# Altium PCB BEE_BOARD_ROTATED.PcbDoc (part 3 of 3)
Units mm, origin at the board's own origin, x right, y up, seen from the top; angles counter-clockwise.
Board outline 51.96 x 59.71 mm, 8 copper layers (Top, GND_1, Signal_1, GND_2, PWR, Signal_2, GND_3, Bottom), stack 1.67 mm thick; 168 components, 97 nets, 589 pads, 254 vias.
Unrouted connection lines stored in the file: 125.
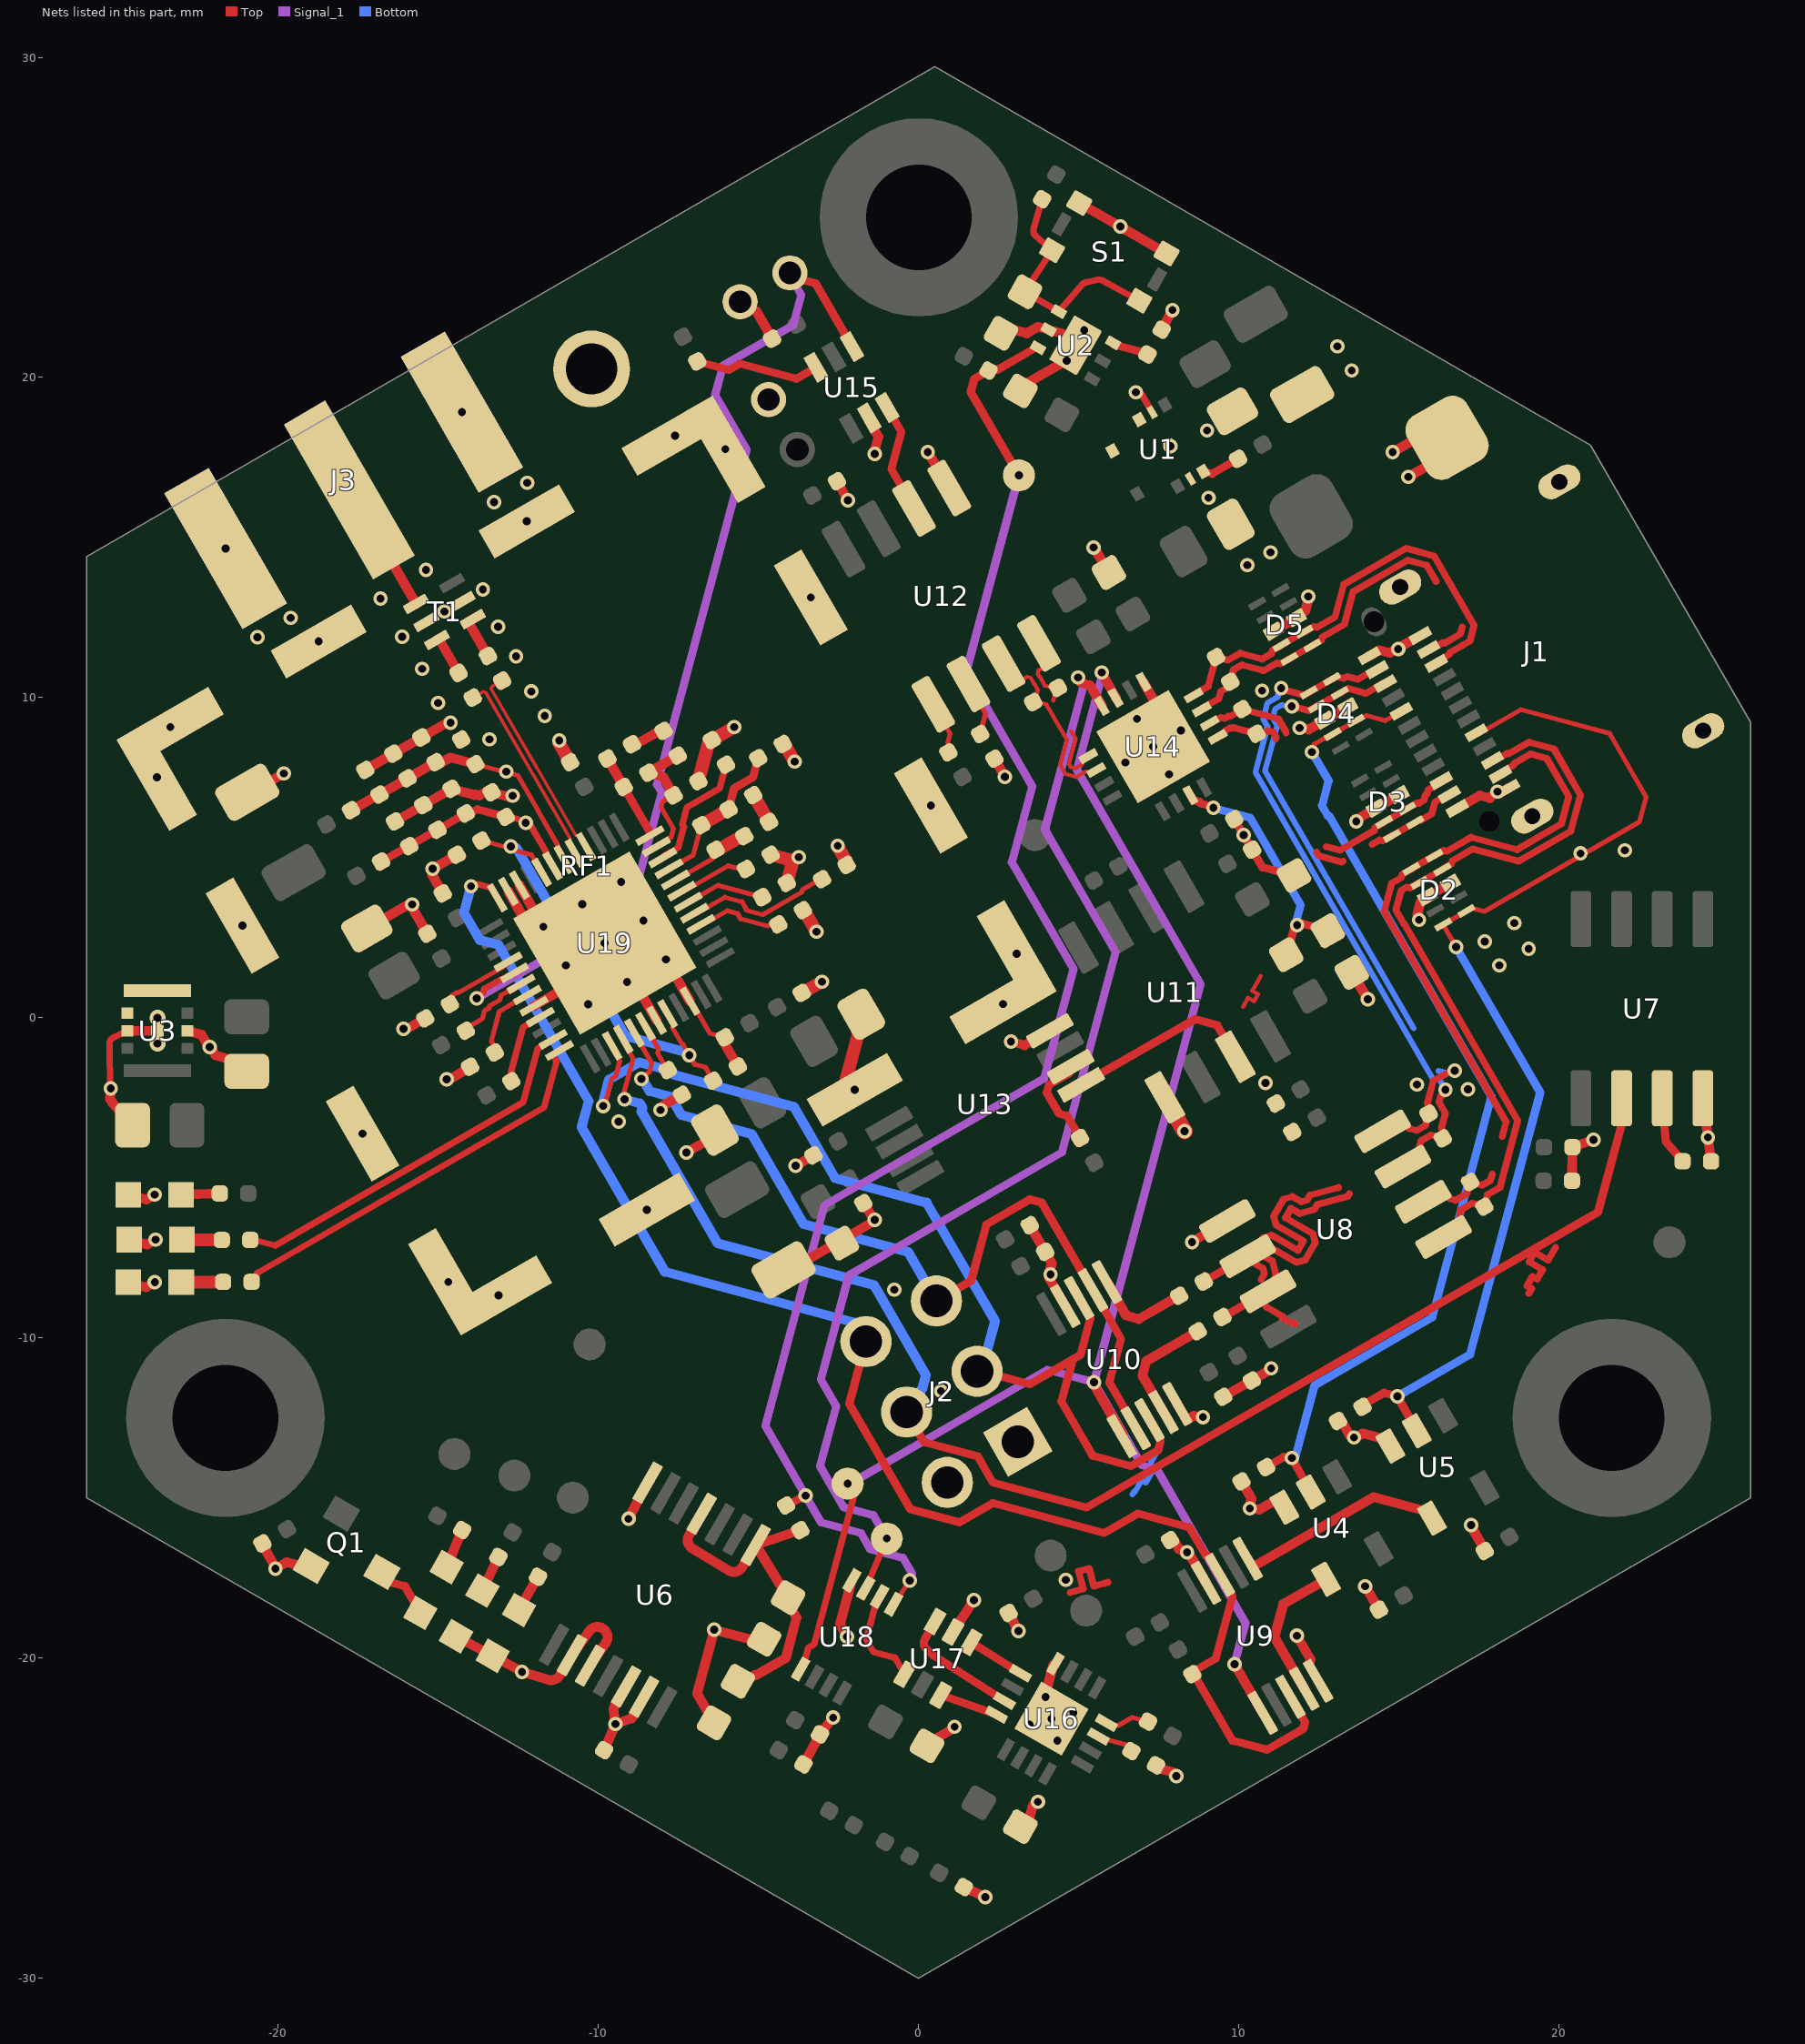
[diagram p9: the nets of this part, all layers, seen from the top]

## Via types
v1: diameter 0.45, hole 0.25, Top to Bottom, 238 vias
v2: diameter 0.5, hole 0.25, Top to Bottom, 16 vias

## Nets (pads, with @x,y where several pads share a name; then routed paths per layer and width w, separated by ;. In a path a pad name is that pad's centre, name@x,y a point inside that pad or via, vN(x,y) a via of type N, cw(c..) or ccw(c..) an arc to the next point about the centre after c; other vN are vias at no path point) (continued)
GND: C1.1 C2.2 C3.1 C4.2 C5.1 C6.1 C7.1 C8.1 C9.1 C10.1 C11.1 C12.2 C13.1 C14.1 C15.1 C16.1 C17.1 C19.2 C20.2 C21.1 C22.1 C23.1 C24.2 C25.1 C26.1 C27.2 C28.1 C29.1 C30.1 C31.2 C32.2 C33.2 C34.1 C35.1 C36.1 C37.1 C38.1 C39.1 C40.1 C41.1 C42.1 C43.1 C44.1 C45.1 C46.1 C47.1 C48.1 C49.1 C50.1 C51.1 C52.1 C53.1 C54.1 C55.1 C56.1 C57.1 C58.1 C61.1 C62.1 C63.1 C64.2 C65.1 C66.1 CLK.1 D1.2 D2.3 D2.8 D3.3 D3.8 D4.3 D4.8 D5.3 D5.8 D6.K D7.K D9.K D10.K D11.K GND.1 J1.1 J1.2 J1.3 J1.4 J1.A1 J1.A12 J1.B1 J1.B12 J2.1 J2.2 J3.2 J3.3 J3.4 J3.5 Q1.2 R3.2 R7.1 R9.2 R12.2 R14.1 R16.1 R20.2 R26.1 R27.2 R31.1 R35.1 RF1.1 S1.1 S1.2 SYNC.1 T1.2 T1.5 U1.2 U1.5 U1.7 U2.5 U2.7 U3.2 U3.5 U3.9 U4.3 U5.3 U6.7 U6.9 U6.10 U6.12 U6.13 U7.4 U8.5 U9.5 U9.9 U10.5 U10.9 U11.5 U12.5 U13.4 U14.5 U14.17 U15.2 U16.12 U16.17 U17.2 U18.4 U19.22 U19.23 U19.32 U19.43 U19.46 U19.49 | length 148.1
  Top w0.152: U19.46@-7.144,0.522 -7.098,0.509 -6.523,-0.485 C49.1@-6.053,-0.611 ; C30.1@9.691,6.247 C30.1@9.855,6.203 ; v1@10.111,5.769 v1(10.148,5.704) ; C29.1@10.409,5.253 C29.1@10.414,5.251 ; C27.2@11.711,4.44 C27.2@11.722,4.446
  Top w0.2: v1(-25.234,-2.206) -25.274,-1.365 cw(c-25.074,-1.356) -25.274,-1.356 -25.274,-0.804 cw(c-25.074,-0.804) -25.16,-0.624 U3.2@-24.711,-0.406
  Top w0.203: v1(6.785,19.538) 6.805,19.504 6.976,19.458 U1.2@7.29,18.913
  Top w0.254: C30.1@9.861,6.202 C29.1@10.409,5.253 ; C29.1@10.414,5.251 10.731,4.702 C27.2@11.711,4.44
  Top w0.305: v1(-25.234,-2.206) -25.251,-2.543 -25.19,-2.649 C8.1@-24.554,-3.354 ; D9.K@-24.731,-8.259 -24.134,-8.419 v1(-23.856,-8.259) ; U3.2@-24.711,-0.406 U3.9@-23.774,-0.406 ; D11.K@-24.683,-5.527 -24.12,-5.678 v1(-23.858,-5.527) ; D10.K@-24.66,-6.934 -24.096,-7.084 v1(-23.835,-6.934) ; U3.5@-22.836,-0.406 -22.399,-0.524 -22.179,-0.905 -22.103,-0.925 -21.957,-1.179 -21.143,-1.397 C7.1@-20.986,-1.67 ; C36.1@-20.97,6.974 v1(-19.828,7.633) ; R3.2@-20.497,-16.419 -20.504,-16.447 -20.08,-17.182 v1(-20.088,-17.21) -19.736,-17.007 -19.069,-17.186 Q1.2@-18.974,-17.131 ; C42.1@-17.284,7.742 C50.1@-15.531,8.754 -14.732,9.215 -14.655,9.194 v1(-14.621,9.214) ; C62.1@-17.235,2.789 -15.932,3.542 -15.868,3.524 C66.1@-15.347,2.623 ; C48.1@-16.354,6.132 C51.1@-15.472,6.642 C53.1@-14.589,7.151 -13.868,6.958 -13.842,6.973 -13.719,6.94 -13.478,7.079 -12.802,6.898 -12.719,6.946 v1(-12.681,6.936) ; v1@-16.095,-0.416 C64.2@-15.41,-0.02 ; C41.1@-14.862,3.884 -15.201,4.473 -15.162,4.618 v1(-15.182,4.652) C56.1@-14.425,5.089 C56.1@-14.286,5.052 ; v1@-14.714,-1.911 v1@-14.707,-1.887 ; v1@-14.71,-1.954 -13.974,-1.53 C58.1@-13.968,-1.505 ; D7.K@-14.45,-19.323 -14.297,-19.405 D6.K@-13.304,-19.93 v1(-12.387,-20.432) -11.556,-20.681 ccw(c-11.468,-20.389) -11.207,-20.545 U6.9@-10.828,-19.912 -10.282,-19.153 cw(c-10.034,-19.331) -9.783,-19.158 -9.77,-19.177 cw(c-10.021,-19.349) -9.77,-19.523 U6.10@-10.265,-20.237 ; U19.23@-12.815,3.945 -12.265,2.992 v2(-11.719,2.846) ; U19.22@-12.469,4.145 v2(-11.719,2.846) ; U19.32@-12.018,0.364 -10.026,1.514 v2(-9.806,2.333) ; C12.2@-9.824,-22.88 v1(-9.473,-22.061) ; U6.12@-9.139,-20.887 -9.536,-21.58 v1(-9.473,-22.061) ; v1(-9.061,-15.652) U6.7@-8.466,-14.521 ; U6.13@-8.576,-21.212 -8.965,-21.886 v1(-9.473,-22.061) ; U19.43@-8.183,-0.078 U19.49@-9.533,2.26 ; v1(-8.06,-2.88) -8.026,-2.861 -7.997,-2.751 C61.1@-7.395,-2.403 ; v1(-7.256,-4.213) -6.419,-3.73 C45.1@-6.361,-3.511 ; U19.46@-7.144,0.522 v2(-7.894,1.821) U19.49@-9.533,2.26 ; C19.2@-6.393,-22.025 -6.391,-22.016 -6.915,-21.108 v1(-6.382,-19.117) -4.968,-19.496 C20.2@-4.827,-19.414 ; C49.1@-6.053,-0.611 -6.091,-0.753 C63.1@-5.649,-1.52 ; SYNC.1@-5.576,22.366 -5.469,22.18 -5.076,22.075 C31.2@-4.576,21.209 ; C40.1@-4.218,-7.877 -4.09,-7.911 -2.363,-6.914 -2.362,-6.915 -1.418,-6.37 -1.402,-6.31 -1.698,-5.797 C28.1@-1.73,-5.788 ; v1(-3.841,-4.623) C26.1@-3.285,-4.302 ; C34.1@-3.599,-23.322 C35.1@-3.082,-22.385 v1(-2.673,-21.861) ; C25.1@-2.552,16.758 -2.551,16.757 -2.208,16.165 v1(-2.207,16.164) ; RF1.1@-2.458,-2.753 RF1.1@-2.337,-2.304 ; v1(-2.234,-19.334) -2.458,-18.947 -2.192,-17.953 -2.18,-17.932 U18.4@-2.084,-17.574 ; U15.2@-1.544,18.735 -1.561,18.67 -1.256,18.141 -1.389,17.645 v1(-1.369,17.611) ; C33.2@0.26,-22.743 0.281,-22.666 1.113,-22.186 v1(1.123,-22.148) ; v1(0.282,17.67) 0.296,17.667 0.942,16.548 U12.5@0.956,16.544 ; U17.2@1.074,-19.188 v1(1.724,-18.187) ; R31.1@1.411,-27.155 v1(2.085,-27.466) ; R20.2@2.365,8.093 v1(2.695,7.523) ; C2.2@2.573,21.379 2.831,21.527 3.383,21.379 3.729,21.579 U2.5@4.055,21.492 4.456,21.384 4.726,20.916 4.623,20.53 3.216,19.718 C4.2@3.179,19.58 ; v1(2.64,0.427) 3.073,0.677 RF1.1@3.548,0.55 ; R26.1@2.81,-18.592 ccw(c2.848,-18.602) 2.814,-18.621 v1(3.123,-19.156) ; v1(2.885,-0.744) 3.308,-0.858 4.092,-0.405 U13.4@4.101,-0.408 ; C32.2@3.177,-25.27 3.427,-25.126 3.563,-24.615 3.715,-24.528 v1(3.725,-24.49) ; C21.1@3.47,-6.478 4.158,-7.67 4.083,-7.951 v1(4.122,-8.019) 4.087,-8.15 4.58,-9.004 U10.9@4.579,-9.008 ; v1(4.148,-21.896) 3.882,-21.435 4.209,-20.216 U16.12@4.274,-20.178 ; S1.1@5.016,25.446 6.475,24.604 S1.2@7.744,23.871 ; v1(5.465,14.689) 5.48,14.685 5.926,13.913 R16.1@5.942,13.909 ; U14.5@7.02,10.491 7.453,9.74 7.179,8.716 v2(7.321,8.47) ; R27.2@7.415,-23.352 7.466,-23.44 7.949,-23.569 8.013,-23.68 v1(8.051,-23.69) ; C6.1@7.591,21.491 v1(7.929,22.106) ; C16.1@7.837,-16.311 C16.1@7.851,-16.315 7.99,-16.352 8.137,-16.606 8.364,-16.667 v1(8.384,-16.701) 8.404,-16.735 8.455,-16.749 8.975,-17.65 U9.9@8.978,-17.651 ; U10.5@8.078,-12.068 8.364,-12.562 8.367,-12.563 8.599,-12.429 8.844,-12.494 v1(8.878,-12.475) ; v1(8.538,-7.011) 8.542,-6.996 9.637,-6.364 U8.5@9.641,-6.349 ; C13.1@9.511,-11.841 11.006,-10.978 v1(11.012,-10.954) ; C3.1@9.723,18.963 C3.1@9.799,18.942 ; C5.1@9.75,15.415 C5.1@9.849,15.388 ; R12.2@10.082,-14.487 R12.2@10.083,-14.484 10.396,-15.027 10.325,-15.293 v1(10.344,-15.327) 10.378,-15.307 10.628,-15.374 11.156,-15.069 11.323,-15.114 U4.3@11.425,-15.29 ; D5.8@11.079,12.075 D5.3@11.802,12.493 11.819,12.558 12.075,12.706 12.188,13.127 v1(12.17,13.158) ; v1(11.815,-19.304) 12.24,-20.04 U9.5@12.193,-20.214 ; v1(11.9,9.053) 11.934,9.073 12.186,9.005 D4.8@12.685,9.293 D4.3@13.408,9.711 ; C1.1@11.963,19.471 C1.1@11.977,19.468 ; R9.2@13.063,-12.717 R9.2@13.095,-12.597 13.234,-12.634 13.474,-13.049 13.579,-13.078 v1(13.599,-13.112) 13.637,-13.122 13.875,-12.984 14.622,-13.185 U5.3@14.735,-13.379 ; R14.1@13.528,1.419 13.538,1.417 14.022,0.579 v1(14.032,0.576) ; v1(13.666,6.133) 13.7,6.152 13.718,6.22 D3.3@15.01,6.966 ; v1(13.948,-17.76) 13.952,-17.761 14.373,-18.489 C10.1@14.377,-18.491 ; J1.A12@14.075,11.302 14.386,11.481 14.709,11.395 14.958,11.538 14.967,11.536 15.414,11.794 15.42,11.792 J1.B1@15.5,11.838 ; v1(14.806,17.665) 15.876,18.283 D1.2@16.504,18.114 16.338,17.496 v1(15.294,16.893) ; v1(15.63,3.057) 15.64,3.095 15.571,3.214 15.676,3.605 15.878,3.721 15.895,3.786 D2.3@16.61,4.199 ; J1.A1@16.825,6.538 17.524,6.942 17.843,6.856 17.854,6.898 18.073,7.024 v1(18.083,7.062) ; v1(17.258,-15.849) 17.25,-15.876 17.688,-16.633 C9.1@17.681,-16.66 ; J1.B12@18.119,7 18.419,7.173 J1.B12@18.422,7.172 ; C11.1@20.407,-5.092 C14.1@20.419,-4.042 v1(21.079,-3.816) ; U7.4@24.495,-2.516 v1(24.652,-3.737) R7.1@24.749,-4.485 ; v2(-11.719,2.846) v2(-9.806,2.333) ; v2(-9.806,2.333) U19.49@-9.533,2.26
  Top w0.406: v1(-11.223,8.66) -11.217,8.65 -11.235,8.584 C47.1@-10.887,7.982 ; C57.1@-6.879,7.39 -6.567,8.554 -6.481,8.604 C44.1@-6.462,8.673 v1(-5.759,9.079) ; C38.1@-4.624,5.091 -3.948,4.91 -3.755,5.021 v1(-3.744,5.018) ; C55.1@-4.244,8.552 -4.19,8.538 -3.881,8.002 v1(-3.869,7.999) ; C37.1@-4.116,4.211 v1@-3.932,4.9 ; C43.1@-3.652,0.775 -3.644,0.773 -3.029,1.128 v1(-3.021,1.126) ; C65.1@-3.614,3.36 -3.584,3.352 -3.201,2.689 v1(-3.189,2.686) ; v1(-2.529,5.373) -2.532,5.361 -2.229,4.835 R35.1@-2.246,4.772 ; RF1.1@-2.424,-2.521 -1.888,-0.518 -1.841,-0.491 -1.716,-0.023 C39.1@-1.792,0.109
  Top w0.508: U11.5@7.692,-2.487 v1(8.302,-3.544)
  Bottom w0.305: v1@14.011,0.581 v1(14.032,0.576)
  other v1: 4.332,-22.579 3.465,-22.079 4.832,-21.713 3.965,-21.213 4.592,-17.556 0.696,-11.663 -13.122,-8.673 -0.761,-8.494 -14.693,-8.252 -1.374,-6.312 -8.488,-5.998 -17.368,-3.619 -9.366,-3.243 -1.993,-2.248 17.154,-2.233 15.565,-2.087 10.833,-2.039 -14.737,-1.925 -22.141,-0.915 -16.093,-0.348 18.136,1.633 3.061,1.998 19.052,2.153 17.684,2.381 -21.118,2.877 18.603,2.956 -15.822,3.541 20.673,5.133 22.057,5.229 0.386,6.631 -23.793,7.51 -13.402,8.696 -23.372,9.081 -11.679,9.426 -15.007,9.831 -12.094,10.191 10.726,10.215 -15.508,10.897 -12.573,11.292 14.978,11.518 -18.738,11.756 -20.651,11.884 -16.131,11.904 -13.135,12.213 -19.616,12.488 -14.809,12.688 -16.806,13.093 -3.364,13.127 -13.609,13.381 -15.386,13.985 10.269,14.139 10.991,14.537 -21.645,14.659 -12.243,15.506 -13.264,16.105 9.053,16.241 -12.229,16.709 -6.039,17.76 7.86,17.856 -7.61,18.181 9.006,18.344 -14.267,18.919 13.525,20.218 4.624,20.528 13.08,20.974 5.174,21.481 6.305,24.718
  other v2: -23.774,-0.806 -23.774,-0.006 -10.319,0.421 -9.106,1.121 -11.019,1.633 -8.595,3.035 -10.506,3.546 -9.294,4.246 7.821,7.604 6.455,7.97 8.187,8.97 6.821,9.336
LED_RX: R33.2 U19.36 | length 12.7
  Top w0.203: R33.2@-20.834,-8.25 -20.71,-8.178 -20.656,-7.977 -11.695,-2.803 -11.309,-1.363 -11.417,-1.176 -11.404,-1.13 U19.36@-11.218,-1.022
LED_TX: R32.2 U19.35 | length 12.1
  Top w0.203: R32.2@-20.874,-6.941 -20.833,-6.917 -20.094,-7.115 -12.349,-2.644 -11.898,-0.963 -11.421,-0.687 U19.35@-11.418,-0.676
NetC2_1: C2.1 R40.1 S1.3 S1.4 U2.4 | length 7.8
  Top w0.203: R40.1@3.856,25.567 3.591,24.635 ccw(c3.786,24.579) 3.652,24.426 S1.3@4.166,23.974 C2.1@3.322,22.677 U2.4@4.38,22.055 5.121,22.909 cw(c5.275,22.776) 5.232,22.975 5.592,23.052 cw(c5.635,22.853) 5.732,23.032 S1.4@6.894,22.399
NetC6_2: C6.2 U2.3 | length 1.2
  Top w0.152: U2.3@6.069,21.08 U2.3@6.099,21.026 ; C6.2@7.13,20.75 C6.2@7.147,20.721
  Top w0.254: U2.3@6.099,21.026 C6.2@7.13,20.75
NetC19_1: C19.1 C20.1 R8.1 U6.1 U6.4 | length 10.4
  Top w0.305: U6.4@-7.075,-15.987 -7.175,-16.171 ccw(c-6.907,-16.317) -7.066,-16.578 -5.933,-17.266 ccw(c-5.774,-17.006) -5.566,-17.229 -5.533,-17.198 U6.1@-5.088,-16.471 ; C19.1@-5.644,-20.727 -5.513,-20.762 -5.119,-20.535 -5.09,-20.543 -4.153,-20.002 -3.815,-18.739 -4.109,-18.231 C20.1@-4.078,-18.116 U6.1@-5.088,-16.471 ; R8.1@-3.695,-16.006 U6.1@-5.088,-16.471
NetC56_2: C56.2 C63.2 U19.20 U19.44 | length 14.2
  Top w0.152: C56.2@-13.655,5.534 -12.81,5.307 v1(-12.734,5.352) -12.775,5.328 -12.789,5.273 -12.088,5.085 U19.20@-11.776,4.545 ; U19.44@-7.837,0.122 -7.654,-0.194 -7.686,-0.312 -7.387,-0.829 -7.356,-0.837 v1(-7.163,-1.173) -6.998,-1.458 -6.658,-1.549 C63.2@-6.419,-1.964
  Bottom w0.305: v1(-12.734,5.352) -12.556,5.304 -9.164,-0.57 -7.208,-1.095 v1(-7.163,-1.173)
NetC58_2: C58.2 U19.31 | length 2.4
  Top w0.152: C58.2@-13.198,-1.061 -13.186,-1.016 -13.349,-0.735 -13.1,0.194 -12.818,0.356 -12.816,0.364 U19.31@-12.218,0.71
NetC59_1: C59.1 T1.4 | length 1.4
  Top w0.305: T1.4@-13.921,12.45 -14.066,12.366 -14.067,12.363 C59.1@-13.453,11.3
NetC60_1: C60.1 T1.3 | length 1.3
  Top w0.305: T1.3@-15.047,11.8 -14.987,11.835 -14.983,11.834 C60.1@-14.37,10.771
NetC61_2: C61.2 U19.42 | length 1.6
  Top w0.152: U19.42@-8.529,-0.278 -8.122,-0.985 -8.151,-1.094 C61.2@-7.84,-1.634
NetC64_1: C64.1 U19.28 | length 2.4
  Top w0.152: C64.1@-14.64,0.425 -14.566,0.699 -14.408,0.791 -14.37,0.78 -12.841,1.663 U19.28@-12.818,1.749
NetC65_2: C65.2 U19.4 | length 2.7
  Top w0.152: U19.4@-6.772,2.923 -6.726,2.911 -5.977,3.343 -5.658,3.257 -5.561,3.089 -4.827,2.892 -4.719,2.863 -4.55,2.96 C65.2@-4.384,2.916
NetC67_2: C67.2 R37.2 U19.12 | length 2.8
  Top w0.152: U19.12@-8.372,5.694 U19.12@-8.36,5.739
  Top w0.254: C67.2@-9.209,7.21 U19.12@-8.36,5.739
  Top w0.305: R37.2@-9.722,8.098 C67.2@-9.209,7.21
NetC68_2: C68.2 R36.2 | length 1
  Top w0.152: C68.2@-5.167,6.956 C68.2@-5.162,6.955 ; R36.2@-4.679,6.119 R36.2@-4.674,6.117
  Top w0.406: C68.2@-5.162,6.955 R36.2@-4.679,6.119
NetC69_1: C69.1 R36.1 U19.8 | length 2.6
  Top w0.152: U19.8@-7.572,4.309 -6.452,4.955 -6.379,5.225 C69.1@-6.344,5.246 C69.1@-6.289,5.231 ; R36.1@-5.498,5.687 R36.1@-5.443,5.673
  Top w0.406: C69.1@-6.289,5.231 R36.1@-5.498,5.687
NetC70_2: C70.2 R37.1 | length 1.1
  Top w0.152: R37.1@-8.952,8.542 R37.1@-8.863,8.518 ; C70.2@-8.057,8.983 C70.2@-7.968,8.959
  Top w0.305: R37.1@-8.863,8.518 C70.2@-8.057,8.983
NetD6_A: D6.A R1.1 | length 1.2
  Top w0.305: D6.A@-12.479,-18.501 R1.1@-11.89,-17.462
NetD7_A: D7.A R2.1 | length 1.2
  Top w0.305: D7.A@-13.625,-17.894 R2.1@-13.126,-16.844
NetD8_A: D8.A R4.2 | length 1.3
  Top w0.305: D8.A@-14.739,-17.161 R4.2@-14.257,-16.001
NetD8_K: D8.K Q1.3 | length 1.9
  Top w0.254: Q1.3@-16.767,-17.309 -16.595,-17.606 -16.047,-17.753 D8.K@-15.564,-18.59
NetD9_A: D9.A R33.1 | length 1.3
  Top w0.406: D9.A@-23.031,-8.259 R33.1@-21.723,-8.25
NetD10_A: D10.A R32.1 | length 1.2
  Top w0.406: D10.A@-23.01,-6.934 R32.1@-21.763,-6.941
NetD11_A: D11.A R34.1 | length 1.2
  Top w0.305: D11.A@-23.033,-5.527 R34.1@-21.826,-5.489
NetJ3_1: J3.1 T1.1 | length 4.1
  Top w0.305: J3.1@-17.781,16.486 -17.747,16.477 T1.1@-15.697,12.926
NetR7_2: R7.2 U7.3 | length 2.2
  Top w0.254: U7.3@23.225,-2.516 23.34,-3.875 R7.2@23.86,-4.485
NetR10_1: R10.1 U10.4 | length 3.6
  Top w0.305: U10.4@7.645,-12.318 6.988,-11.179 7.11,-10.722 R10.1@8.718,-9.794
NetR10_2: R10.2 U8.7 | length 1.6
  Top w0.152: R10.2@9.488,-9.349 R10.2@9.501,-9.352 ; U8.7@10.898,-8.545 U8.7@10.911,-8.549
  Top w0.254: R10.2@9.501,-9.352 U8.7@10.898,-8.545
NetR11_1: R11.1 U10.6 | length 3.1
  Top w0.305: U10.6@5.878,-8.258 6.484,-9.306 6.877,-9.411 R11.1@8.137,-8.684
NetR11_2: R11.2 U8.6 | length 1.6
  Top w0.254: R11.2@8.907,-8.239 U8.6@10.276,-7.449
NetR19_1: R19.1 U12.1 | length 1.7
  Top w0.152: U12.1@0.456,9.79 0.984,8.875 0.907,8.586 0.975,8.469 R19.1@0.927,8.29
NetR20_1: R20.1 U12.2 | length 1.7
  Top w0.152: U12.2@1.556,10.425 2.091,9.499 R20.1@1.921,8.863
NetR23_1: R23.1 U13.2 | length 3
  Top w0.254: U13.2@4.751,-1.533 4.697,-1.737 4.067,-2.1 4.003,-2.338 4.383,-2.995 4.642,-3.065 R23.1@5.042,-3.757
NetR24_1: R24.1 U15.6 | length 4
  Top w0.254: R24.1@-6.916,20.502 -5.92,20.235 -5.581,20.431 -3.822,19.96 U15.6@-3.207,20.315
NetR27_1: R27.1 U16.7 | length 1.2
  Top w0.152: U16.7@5.616,-22.454 5.633,-22.483 6.45,-22.702 6.555,-22.883 R27.1@6.645,-22.907
NetR28_1: R28.1 U16.8 | length 1.4
  Top w0.152: U16.8@5.866,-22.021 5.877,-22.015 6.233,-22.11 6.672,-21.857 R28.1@7.163,-21.989
NetR35_2: R35.2 U19.5 | length 4.6
  Top w0.152: U19.5@-6.972,3.269 -6.926,3.257 -6.049,3.763 -5.516,3.62 -5.36,3.351 -4.87,3.219 -3.65,3.923 -3.629,4.002 -3.05,4.336 R35.2@-3.016,4.327
NetR38_2: R38.2 U19.30 | length 2.4
  Top w0.152: R38.2@-14.143,-0.409 -14.118,-0.316 -13.624,-0.031 -13.556,0.222 -13.413,0.305 -13.394,0.376 -13.08,0.557 -13.043,0.695 U19.30@-12.418,1.056
NetR39_2: R39.2 U19.33 | length 2.4
  Top w0.203: R39.2@-12.723,-1.979 -12.678,-1.814 -12.732,-1.72 -12.349,-0.29 U19.33@-11.818,0.017
NetR43_1: R43.1 U1.6 | length 1.2
  Top w0.254: U1.6@8.891,17.066 8.91,17.033 8.958,17.02 8.991,17.039 9.165,16.992 R43.1@9.975,17.46
NetU1_3: U1.3 U1.8
NetU3_1: U3.1 U3.7
NetU4_4: U4.4 U9.4 | length 4.5
  Top w0.305: U9.4@12.044,-20.961 11.113,-19.348 11.391,-18.312 U4.4@12.725,-17.542
NetU5_4: U5.4 U9.6 | length 6.4
  Top w0.305: U9.6@10.379,-17.053 10.54,-17.096 14.21,-14.977 15.922,-15.436 U5.4@16.035,-15.631
NetU11_7: U11.7 U13.1 | length 6
  Top w0.254: U13.1@5.076,-2.096 8.629,-0.045 9.323,-0.231 U11.7@9.892,-1.217
OUT1: U16.16 U17.6 | length 1.8
  Top w0.254: U17.6@0.687,-21.159 U16.16@2.431,-21.77
OUT2: U16.15 U17.3 | length 3.9
  Top w0.254: U17.3@0.511,-18.863 0.196,-19.414 ccw(c0.417,-19.54) 0.246,-19.728 0.456,-19.92 U16.15@2.681,-21.337
OUT4: U16.13 U17.1 | length 1.8
  Top w0.254: U17.1@1.637,-19.513 U16.13@3.181,-20.471
PE: R13.1 R14.2 U14.15 | length 7.9
  Top w0.254: U14.15@8.487,6.95 8.575,6.798 8.775,6.745 8.804,6.694 9.185,6.592 v1(9.206,6.556) ; R13.1@11.479,1.967 11.503,1.981 11.731,2.831 11.939,2.951 12.772,2.728 R14.2@12.779,2.717
  Bottom w0.254: v1(9.206,6.556) 10.358,6.248 11.931,3.523 11.78,2.962 v1(11.821,2.892)
PULSE: Pulse.1 R8.2 R42.1 U2.6 U18.1 | length 49.9
  Top w0.152: R8.2@-4.14,-15.236 R8.2@-4.113,-15.243 ; v1@-3.554,-14.92 v1(-3.528,-14.928) ; U18.1@-0.785,-18.324 v1(-0.275,-17.576)
  Top w0.254: R8.2@-4.113,-15.243 v1@-3.554,-14.92 ; v1(3.132,16.942) 1.629,19.546 1.74,19.96 R42.1@2.182,20.216 2.306,20.287 2.468,20.244 3.679,20.942 U2.6@3.73,20.929
  Signal_1 w0.254: v1(-0.275,-17.576) -0.256,-17.565 -0.202,-17.362 -0.483,-16.875 -1.513,-16.599 -1.802,-16.099 -3.043,-15.766 v1(-3.528,-14.928) -4.786,-12.747 -2.939,-5.854 3.923,-1.892 4.837,1.518 2.91,4.855 3.548,7.233 1.487,10.802 v1(3.132,16.942)
RF_N: C60.2 U19.17 | length 6.2
  Top w0.102: C60.2@-13.925,10.001 -13.606,10.185 -13.525,10.163 -12.055,7.617 -12.05,7.616 -10.883,5.595 -10.919,5.461 U19.17@-10.737,5.145
RF_P: C59.2 U19.16 | length 6.2
  Top w0.102: C59.2@-13.009,10.53 -13.327,10.346 -13.349,10.265 -11.921,7.792 -11.916,7.79 -10.707,5.697 -10.573,5.661 U19.16@-10.39,5.345
RX1_N: D2.4 D2.7 J1.B10 R5.2 U8.1 | length 24.1
  Top w0.216: U8.1@16.396,-6.849 16.872,-6.574 16.951,-6.277 16.891,-6.173 16.938,-6 17.287,-5.799 17.667,-5.901 17.767,-5.529 18.155,-5.305 18.716,-3.21 15.161,2.948 15.149,2.951 14.909,3.367 15.073,3.98 15.25,4.082 15.347,4.056 15.626,4.218 D2.7@15.637,4.215 D2.4@16.36,4.632 16.363,4.643 16.643,4.805 16.669,4.901 17.306,5.269 18.74,4.884 20.367,5.824 20.671,6.957 19.839,8.398 19.063,8.606 18.426,8.238 18.376,8.252 17.98,8.023 J1.B10@17.922,8.038
RX1_P: D2.5 D2.6 J1.B11 R5.1 U8.2 | length 24.1
  Top w0.216: 4.726,-17.955 5.142,-17.843 4.994,-17.292 5.325,-17.204 5.473,-17.755 5.804,-17.666 5.908,-17.638 ; U8.2@15.761,-5.749 16.237,-5.474 16.533,-5.553 16.593,-5.657 16.766,-5.703 17.121,-5.499 17.218,-5.134 R5.1@17.223,-5.131 ; R5.1@17.223,-5.131 17.596,-5.232 17.86,-5.079 17.912,-4.884 ; J1.B11@18.172,7.605 18.188,7.662 18.584,7.891 18.598,7.941 19.111,8.238 19.613,8.104 20.303,6.909 20.073,6.05 18.692,5.252 17.257,5.637 16.497,5.198 16.401,5.224 16.121,5.062 D2.5@16.11,5.065 D2.6@15.387,4.648 15.384,4.637 15.105,4.475 15.079,4.379 14.778,4.205 14.541,3.319 14.923,2.656 14.935,2.653 18.348,-3.258 18.229,-3.702
RX2_N: D4.4 D4.7 J1.A10 R6.1 U8.4 | length 21.4
  Top w0.216: v1(11.653,9.725) 11.664,9.731 12.186,9.592 12.424,9.729 D4.7@12.435,9.726 D4.4@13.158,10.144 13.169,10.141 13.416,10.284 13.97,10.135 14.517,10.451 J1.A10@14.575,10.436 ; U8.4@14.491,-3.549 14.967,-3.274 15.263,-3.354 15.324,-3.458 15.563,-3.522 15.827,-3.369 R6.1@15.927,-2.997 ; R6.1@15.927,-2.997 15.97,-2.835 15.894,-2.703 15.895,-2.7 15.885,-2.684 16.077,-1.968 16.393,-1.786 16.411,-1.79 16.683,-1.633 v1(16.744,-1.65)
  Bottom w0.178: 6.678,-14.887 6.723,-14.81 6.745,-14.823 6.961,-14.449 7.097,-14.527 7.313,-14.154 7.155,-14.062 7.446,-13.557 ; v1(11.653,9.725) 11.61,9.7 11.35,9.77 11.132,9.644 11.06,9.375 11.198,9.136 10.818,7.718 15.464,-0.33 ; 16.232,-1.66 16.498,-1.731 16.673,-1.631 v1(16.744,-1.65) v1@16.687,-1.551
RX2_P: D4.5 D4.6 J1.A11 R6.2 U8.3 | length 21.4
  Top w0.216: v1(11.323,10.297) 11.342,10.263 12.04,10.076 D4.6@12.185,10.159 D4.5@12.908,10.577 13.052,10.66 13.278,10.6 13.381,10.659 13.72,10.568 14.267,10.884 J1.A11@14.325,10.869 ; U8.3@15.126,-4.649 15.602,-4.374 15.681,-4.077 15.646,-4.016 15.692,-3.843 15.999,-3.666 R6.2@16.371,-3.767 ; R6.2@16.371,-3.767 16.415,-3.605 16.328,-3.454 16.454,-2.983 16.253,-2.635 16.3,-2.462 16.361,-2.427 16.4,-2.284 v1(16.455,-2.252)
  Bottom w0.178: v1(11.323,10.297) 11.28,10.272 11.21,10.012 10.892,9.828 10.76,9.335 10.898,9.096 10.518,7.678 16.048,-1.9 16.283,-1.963 16.449,-2.25 v1(16.455,-2.252)
SBU1: D4.2 D4.9 J1.A8 R12.1 U4.2 | length 31.6
  Top w0.152: v1(12.285,8.298) 12.351,8.544 12.91,8.867 D4.9@12.935,8.86 D4.2@13.658,9.278 13.69,9.269 13.984,9.438 14.574,9.28 J1.A8@15.075,9.57
  Top w0.254: R12.1@10.852,-14.039 11.404,-13.721 11.612,-13.776 v1(11.658,-13.75) U4.2@12.248,-14.815
  Bottom w0.254: v1(11.658,-13.75) 11.78,-13.679 12.369,-11.481 16.043,-9.36 17.89,-2.466 12.838,6.285 12.786,6.299 12.598,6.624 12.805,7.397 v1(12.285,8.298)
SBU2: D2.1 D2.10 J1.B8 R9.1 U5.2 | length 34.2
  Top w0.152: v1(16.789,2.207) 16.385,2.908 D2.10@16.387,2.916 D2.1@17.11,3.333 17.268,3.424 17.664,3.318 22.512,6.117 22.722,6.901 21.579,8.881 18.804,9.624 17.514,8.879 J1.B8@17.422,8.904
  Top w0.254: R9.1@13.865,-12.153 13.88,-12.098 14.544,-11.715 v1(14.956,-11.825) 14.953,-11.838 15.561,-12.892 U5.2@15.558,-12.904
  Bottom w0.254: v1(14.956,-11.825) 17.221,-10.517 19.413,-2.337 v1(16.789,2.207)
SEL: SEL.1 U9.1 U10.1 U14.7 U18.5 | length 53.6
  Top w0.203: U18.5@-3.684,-20.345 -3.612,-20.304 -3.444,-19.676 -3.265,-19.572 -2.014,-14.903 v1(-2.216,-14.552)
  Top w0.305: v1(5.477,-11.387) 5.461,-11.445 6.363,-13.006 U10.1@6.346,-13.068 ; v1(5.719,10.786) 5.715,10.772 6.158,10.005 U14.7@6.154,9.991 ; v1(9.864,-20.193) 9.867,-20.193 10.742,-21.71 U9.1@10.745,-21.711
  Signal_1 w0.254: v1(-2.216,-14.552) -2.165,-14.566 4.018,-10.996 v1(5.477,-11.387) ; v1(5.719,10.786) 5.742,10.746 4.94,7.751 8.809,1.05 v1(5.477,-11.387) ; v1(9.864,-20.193) 10.209,-18.904 7.436,-14.101 6.972,-13.977 v1(5.477,-11.387)
SEL#: SEL#.1 U14.8 U18.3 | length 36
  Top w0.203: U18.3@-1.651,-17.824 v1(-0.995,-16.268)
  Top w0.305: v1(4.978,10.631) 5.079,10.455 5.351,10.382 U14.8@5.721,9.741
  Signal_1 w0.254: v1(-0.995,-16.268) -1.415,-15.539 -2.343,-15.291 -3.079,-14.016 -2.574,-12.13 -3.053,-11.3 -2.182,-8.047 4.477,-4.203 6.153,2.051 3.942,5.879 5.14,10.349 v1(4.978,10.631)
SEL_3V3: U17.4 U18.2 | length 3.2
  Top w0.203: U18.2@-1.218,-18.074 -1.289,-18.115 -1.638,-19.417 -1.412,-19.809 -0.738,-19.99 -0.549,-20.317 -0.529,-20.323 -0.433,-20.489 U17.4@-0.439,-20.509
SPICLK: J2.5 U10.2 U10.7 U19.41 | length 27.2
  Top w0.152: U19.41@-8.876,-0.478 -8.332,-1.42 -8.405,-1.694 -8.638,-1.829 v1(-8.659,-1.906)
  Top w0.254: J2.5@0.555,-8.846 1.642,-8.218 2.113,-6.462 3.475,-5.676 3.843,-5.774 5.416,-8.5 U10.7@5.445,-8.508 6.323,-10.028 5.957,-11.395 U10.2@6.779,-12.818
  Bottom w0.305: v1(-8.659,-1.906) -8.621,-1.917 -8.404,-2.292 -7.745,-2.469 -7.414,-3.042 -5.215,-3.631 -3.59,-6.445 -0.326,-7.32 J2.5@0.555,-8.846
SPIMISO: J2.4 U7.2 U19.40 | length 46.2
  Top w0.152: U19.40@-9.222,-0.678 -9.235,-0.724 -8.918,-1.272 -9.236,-2.458 v1(-9.185,-2.547)
  Top w0.254: J2.4@-0.375,-12.315 0.165,-13.251 1.846,-13.701 2.317,-14.517 5.239,-15.3 21.221,-6.073 22.104,-2.776 U7.2@21.955,-2.516
  Bottom w0.305: v1(-9.185,-2.547) -8.708,-2.675 -8.626,-2.817 -8.657,-2.932 -6.28,-7.047 -1.393,-8.357 0.229,-11.167 0.116,-11.591 0.069,-11.619 -0.071,-12.14 J2.4@-0.375,-12.315
SPIMOSI: J2.3 U10.3 U10.8 U19.39 | length 32.9
  Top w0.152: v1(-9.853,-2.757) -9.805,-2.73 -9.584,-1.904 -9.462,-1.834 -9.333,-1.354 -9.581,-0.924 U19.39@-9.569,-0.878
  Top w0.254: J2.3@1.825,-11.045 1.873,-11.018 3.474,-11.447 4.811,-10.675 ; U10.8@5.012,-8.758 5.004,-8.789 5.36,-9.405 5.057,-10.532 4.811,-10.675 ; U10.3@7.212,-12.568 7.204,-12.6 7.56,-13.215 7.479,-13.515 6.634,-14.003 5.439,-13.683 4.459,-11.987 4.811,-10.675
  Bottom w0.305: v1(-9.853,-2.757) -9.879,-2.712 -9.672,-1.938 -8.727,-1.392 -7.692,-1.67 -7.625,-1.786 -3.891,-2.786 -2.608,-5.01 0.249,-5.776 2.384,-9.473 1.953,-11.08 1.919,-11.208 J2.3@1.825,-11.045
SPInCS: J2.6 R41.1 U9.3 U9.8 U19.24 | length 48.9
  Top w0.203: v1(-13.981,4.109) -13.903,4.088 -13.758,4.172 -13.344,4.061 U19.24@-13.162,3.745
  Top w0.254: J2.6@-1.568,-9.83 -2.165,-12.059 -0.266,-15.347 1.277,-15.761 2.314,-15.162 5.796,-16.095 6.846,-15.489 8.463,-15.922 8.967,-16.795 9.047,-16.817 9.38,-17.392 U9.8@9.411,-17.401 9.41,-17.404 9.8,-18.079 9.281,-20.016 8.568,-20.428 R41.1@8.564,-20.443 ; R41.1@8.547,-20.504 R41.1@8.564,-20.443 ; U9.3@11.611,-21.211 11.61,-21.214 12.068,-22.007 12.014,-22.21 10.879,-22.865 9.794,-22.575 R41.1@8.564,-20.443
  Bottom w0.305: v1(-13.981,4.109) -14.201,3.286 -13.705,2.427 -13.121,2.27 -10.307,-2.603 -10.528,-3.424 -7.925,-7.932 -1.987,-9.523 J2.6@-1.645,-10.116
SYNC: SYNC.2 U15.4 U19.29 | length 32.3
  Top w0.203: v1(-13.803,0.604) -13.785,0.669 -13.598,0.777 -13.566,0.896 -13.036,1.201 -13,1.192 -12.629,1.406 U19.29@-12.618,1.403
  Top w0.254: SYNC.2@-4.018,23.266 -3.94,23.132 -3.22,22.939 U15.4@-2.081,20.965
  Signal_1 w0.254: v1(-13.803,0.604) -13.801,0.609 -9.004,3.378 -8.025,7.032 -8.171,7.284 -5.37,17.739 -6.358,19.451 -6.113,20.365 -3.923,21.629 -3.668,22.581 -4.032,23.212 SYNC.2@-4.018,23.266
SYNC_BB_LVDS_N: R18.1 U12.4 U14.9 | length 5.8
  Top w0.127: U12.4@3.756,11.695 3.989,11.291 3.894,10.938 3.743,10.85 3.715,10.749 3.768,10.658 3.782,10.654 3.942,10.376 4.044,10.349 4.048,10.351 R18.1@4.308,10.281 ; 4.212,9.909 4.207,9.917 4.234,10.019 4.238,10.021 R18.1@4.308,10.281 ; R18.1@4.35,10.305 R18.1@4.308,10.281 ; 4.765,8.95 4.905,8.707 4.695,7.923 4.748,7.832 4.893,7.793 5.104,7.914 5.149,8.082 U14.9@5.3,8.17 ; 10.134,0.348 10.292,0.623 10.475,0.518 10.602,0.738 10.419,0.843 10.687,1.307
SYNC_BB_LVDS_P: R18.2 U12.3 U14.10 | length 5.8
  Top w0.127: U12.3@2.656,11.06 2.889,10.656 3.243,10.562 3.394,10.649 3.495,10.622 3.601,10.439 3.614,10.436 3.722,10.249 3.695,10.147 3.691,10.145 R18.2@3.621,9.885 ; R18.2@3.58,9.861 R18.2@3.621,9.885 ; U14.10@5.55,7.737 5.399,7.649 5.231,7.694 4.929,7.52 4.682,7.586 4.58,7.614 4.423,7.887 4.633,8.672 3.987,9.79 3.885,9.817 3.882,9.815 R18.2@3.621,9.885
SYNC_LVCMOS: U12.6 U15.3 | length 3.5
  Top w0.254: U15.3@-0.981,19.06 -0.541,18.297 -0.852,17.136 U12.6@-0.144,15.909
TX1_N: D3.2 D3.9 J1.A3 R21.1 U14.2 | length 14.2
  Top w0.216: U14.2@9.091,9.204 9.114,9.197 9.433,9.382 9.555,9.349 9.678,9.42 9.722,9.408 10.106,9.63 R21.1@10.109,9.641 11.233,9.339 11.486,8.901 ; 11,-8.355 10.996,-8.343 11.167,-8.047 11.047,-7.6 10.809,-7.462 10.98,-7.165 11.802,-7.64 12.076,-7.566 12.39,-7.023 12.316,-6.749 11.457,-6.253 11.628,-5.956 11.905,-6.115 12.352,-5.995 12.442,-5.84 13.402,-5.582 13.452,-5.496 ; 12.736,5.348 13.166,5.233 14.229,5.846 14.254,5.943 14.534,6.104 D3.9@14.537,6.115 D3.2@15.26,6.533 15.573,6.713 15.625,6.699 15.78,6.789 15.828,6.966 15.88,6.997 15.913,7.118 16.309,7.347 J1.A3@16.325,7.404
TX1_P: D3.1 D3.10 J1.A2 R21.2 U14.1 | length 14.2
  Top w0.216: U14.1@9.341,8.771 9.347,8.794 9.559,8.916 9.571,8.963 9.726,9.052 9.77,9.04 9.819,9.068 R21.2@10.554,8.871 ; R21.2@10.554,8.871 10.679,8.837 10.905,8.968 11.078,8.922 11.167,8.767 11.152,8.709 ; 10.695,-8.179 10.799,-7.999 10.753,-7.826 10.514,-7.688 10.441,-7.414 10.754,-6.871 11.028,-6.797 11.85,-7.272 12.022,-6.975 11.162,-6.479 11.089,-6.204 11.402,-5.661 11.677,-5.588 11.953,-5.747 12.126,-5.701 12.216,-5.545 13.118,-5.303 ; 10.862,-9.036 11.376,-9.333 11.351,-9.377 11.648,-9.548 11.673,-9.504 11.767,-9.558 ; 12.431,5.173 12.497,5.057 13.215,4.865 13.256,4.889 ; 14.161,5.411 14.4,5.549 14.496,5.524 14.776,5.685 D3.10@14.787,5.682 D3.1@15.51,6.1 15.654,6.183 15.688,6.174 16.022,6.367 16.122,6.74 16.539,6.981 J1.A2@16.575,6.971
TX2_N: D5.2 D5.9 J1.B3 R22.1 U14.4 | length 14.2
  Top w0.216: U14.4@8.591,10.07 8.597,10.093 9.043,10.35 R22.1@9.288,11.264 ; R22.1@9.288,11.264 9.66,11.164 10.048,11.388 10.729,11.205 11.02,11.373 11.046,11.47 11.326,11.631 D5.9@11.329,11.642 D5.2@12.052,12.06 12.063,12.057 12.342,12.218 12.439,12.192 13.005,12.519 13.277,13.534 15.228,14.66 16.098,14.427 17.35,12.259 17.217,11.763 16.971,11.621 16.598,11.405 16.584,11.355 16.188,11.126 J1.B3@16.172,11.069
TX2_P: D5.1 D5.10 J1.B2 R22.2 U14.3 | length 14.2
  Top w0.216: U14.3@8.841,9.637 8.847,9.66 9.373,9.963 9.432,10.184 9.689,10.332 R22.2@9.732,10.494 9.832,10.867 10.096,11.02 10.778,10.837 11.192,11.076 11.288,11.05 11.568,11.212 D5.10@11.579,11.209 D5.1@12.302,11.627 12.305,11.637 12.584,11.799 12.61,11.895 13.3,12.293 13.572,13.308 15.276,14.292 15.872,14.133 16.161,13.633 ; J1.B2@15.922,11.502 15.98,11.487 16.376,11.716 16.426,11.702 16.923,11.989 16.979,12.2 ; 19.055,-8.605 19.065,-8.602 19.147,-8.46 19.004,-8.378 19.175,-8.081 19.319,-8.163 19.49,-7.866 19.072,-7.625 19.243,-7.328 19.661,-7.569 19.887,-7.179
VDDCLK: C55.2 C68.1 C69.2 U19.9 | length 4.8
  Top w0.152: U19.9@-7.772,4.655 -7.039,5.078 C69.2@-6.788,6.016 C69.2@-6.787,6.019
  Top w0.254: C68.1@-5.938,6.509 -5.76,7.171 -5.174,7.51 C55.2@-5.013,8.108
  Top w0.406: C69.2@-6.787,6.019 C68.1@-5.938,6.509
VDDIF: C38.2 U19.7 | length 2.2
  Top w0.152: U19.7@-7.372,3.962 -7.326,3.95 -5.948,4.745 -5.696,4.678 -5.673,4.691 -5.43,4.626 C38.2@-5.394,4.647
VDDMS: C37.2 U19.6 | length 2.5
  Top w0.152: U19.6@-7.172,3.616 -6.269,4.137 -5.681,3.98 C37.2@-4.886,3.767
VDDPA1: C42.2 C46.2 C50.2 C52.2 L1.2 U19.18 | length 8.8
  Top w0.152: C52.2@-13.843,7.922 -12.513,7.566 -11.876,6.463 -11.88,6.448 -11.274,5.398 -11.284,5.36 -11.071,4.991 U19.18@-11.083,4.945
  Top w0.305: L1.2@-17.727,6.482 -17.713,6.478 -16.852,6.975 C42.2@-16.839,6.972 C46.2@-15.963,7.478 C50.2@-15.087,7.984 -14.948,7.946 -14.626,8.132 C52.2@-13.843,7.922
  other v1: -12.876,7.69
VDDPA2: C48.2 C51.2 C53.2 C54.2 L2.2 U19.19 | length 6.9
  Top w0.203: C54.2@-12.895,6.272 -12.854,6.296 -12.304,6.149 v1(-12.272,6.094) ; U19.19@-11.429,4.745 -11.426,4.756 -11.641,5.127 -11.63,5.165 v1@-12.116,6.006 ; v1(-12.272,6.094) v1@-12.241,6.039 ; v1(-12.272,6.094) v1@-12.241,6.039 ; v1@-12.241,6.039 v1@-12.116,6.006 ; v1@-12.241,6.039 v1@-12.116,6.006
  Top w0.254: L2.2@-16.79,4.877 -16.777,4.873 -15.923,5.366 C48.2@-15.91,5.362 C51.2@-15.027,5.872 C53.2@-14.145,6.381 -14.048,6.356 -13.781,6.51 C54.2@-12.895,6.272
VDDSYN: C44.2 U19.10 | length 3.8
  Top w0.203: U19.10@-7.972,5.001 -7.96,5.048 -7.504,5.311 -7.332,5.952 -7.382,6.038 -7.239,6.572 -6.216,7.163 C44.2@-6.018,7.903
VDDVCO: C57.2 C67.1 C70.1 U19.11 | length 4.4
  Top w0.152: C67.1@-8.44,7.654 C67.1@-8.439,7.658 ; U19.11@-8.172,5.348 -8.16,5.394 -7.731,5.642 -7.659,5.909 -8.044,6.576 -7.999,6.743 C57.2@-7.649,6.946 ; C70.1@-7.524,8.186 C70.1@-7.523,8.189
  Top w0.305: C67.1@-8.44,7.654 -7.988,7.533 C57.2@-7.649,6.946 ; C67.1@-8.439,7.658 C70.1@-7.524,8.186
pads on no net: D2.2 D2.9 D5.4 D5.7 FID1.1 FID1.2 FID2.1 FID2.2 FID3.1 FID3.2 J1. MTH1.1 MTH2.1 MTH3.1 S1.5 S1.6 T1.6 U4.1 U5.1 U6.8 U6.11 U7.5 U7.6 U11.1 U11.4 U11.6 U12.7 U13.5 U13.7 U16.3 U16.10 U16.14 U19.1 U19.2 U19.13 U19.14 U19.34 U19.37 U19.38

## Polygon pours and split planes (outlines as drawn)
3V3 on Top "NONET_L01_P-001" (solid, pour order 8): -16.826,4.145 -18.359,6.8 -21.387,5.052 -19.855,2.397
GND on Top "NONET_L01_P-001" (solid, pour order 9): -12.324,6.754 -12.259,6.737 -10.309,7.863 -14.936,15.878 -18.066,14.071 -14.117,7.231 -12.278,6.738
GND on Top "NONET_L01_P-001" (solid, pour order 10): -13.904,16.53 -13.254,15.404 -11.721,16.29 -12.371,17.415
GND on Top "NONET_L01_P-001" (solid, pour order 11): -21.291,12.309 -20.641,11.184 -19.108,12.069 -19.758,13.195
5V on Top "NONET_L01_P-001" (solid, pour order 12): 7.631,18.899 8.398,19.347 8.504,19.163 12.72,21.597 11.455,23.787 8.225,21.922 7.673,19.862 7.226,19.604
GND on Top "NONET_L01_P-001" (solid, pour order 13): 8.302,16.957 10.334,13.438 11.586,14.161 10.317,16.349 10.201,16.282 8.706,16.683 8.487,17.063
3V3 on Top "NONET_L01_P-001" (solid, pour order 14): 8.076,16.787 10.072,13.331 8.252,12.28 7.818,12.396 5.537,16.347 6.954,17.165 7.217,17.095 7.562,16.496
GND on Top "NONET_L01_P-001" (solid, pour order 15): 14.371,20.662 14.04,21.235 13.026,21.507 8.152,18.693 7.882,18.765 7.636,18.623 7.614,18.629 7.28,18.436 8.073,17.07 8.813,17.497 11.184,18.866 11.466,18.377 14.634,20.206
NetU1_3 on Top "NONET_L01_P-001" (solid, pour order 16): 7.124,18.594 7.109,18.598 6.806,19.122 4.975,18.065 4.7,17.038 4.946,16.612 6.852,17.713 6.856,17.727 6.556,18.247
3V3 on Top "NONET_L01_P-001" (solid, pour order 17): -23.037,-0.032 -23.026,0.331 -22.684,0.347 -21.438,1.248 -19.829,0.817 -19.082,-0.477 -20.173,-0.588 -21.877,-0.391 -21.883,-0.04 -22.653,-0.034
1V8 on Top "NONET_L01_P-001" (solid, pour order 19): -24.899,-0.782 -24.524,-0.782 -24.526,-1.13 -24.29,-1.428 -22.729,-1.461 -22.279,-2.705 -22.272,-4.738 -23.797,-4.764 -23.806,-2.377 -24.909,-2.338
NetU3_1 on Top "NONET_L01_P-001" (solid, pour order 21): -24.528,-0.04 -24.544,0.646 -22.731,0.656 -22.728,1.383 -25.167,1.408 -25.16,-0.051
3V3 on Top "3V3_L01_P022" (solid, pour order 22): 12.23,-3.559 11.051,-1.516 11.175,-1.054 11.487,-0.874 12.412,-1.121 13.419,-2.865
GND on Top "GND_L01_P023" (solid, pour order 23): 12.106,-3.709 10.957,-1.719 10.007,-2.267 9.905,-2.648 10.911,-4.391
VDDPA1 on Signal_1 "NONET_L01_P-001" (solid, pour order 5): -17.267,6.023 -18.171,7.589 -15.7,9.015 -12.793,8.236 -12.43,7.608 -12.621,7.359 -14.014,7.733 -17.068,5.97
VDDPA2 on Signal_1 "NONET_L01_P-001" (solid, pour order 6): -11.669,5.662 -12.198,6.578 -14.72,7.254 -17.141,5.856 -16.362,4.508 -16.086,4.434 -13.342,6.018 -11.778,5.599
no net on Top Solder "NONET_L01_P-001" (solid): -13.502,9.608 -12.9,9.956 -10.65,6.06 -11.258,5.723
GND on GND_1 (split plane): 20.607,17.513 25.47,9.09 25.47,-14.705 0,-29.411 -25.47,-14.705 -25.47,14.116 0.51,29.116
GND on GND_2 (split plane): 20.607,17.513 25.47,9.09 25.47,-14.705 0,-29.411 -25.47,-14.705 -25.47,14.116 0.51,29.116
GND on GND_3 (split plane): 20.607,17.513 25.47,9.09 25.47,-14.705 0,-29.411 -25.47,-14.705 -25.47,14.116 0.51,29.116
5V on PWR (split plane): 20.607,17.513 25.47,9.09 25.47,8.89 17.464,4.268 16.585,4.503 7.891,19.561 8.486,21.782 10.85,23.147
5V on PWR (split plane): 10.345,23.438 8.144,22.167 8.091,22.127 8.074,22.104 8.051,22.074 8.026,22.014 7.377,19.59 7.368,19.525 7.377,19.46 7.402,19.399 16.2,4.161 16.223,4.131 16.24,4.109 16.292,4.068 16.353,4.043 17.434,3.754 17.499,3.745 17.565,3.754 17.595,3.766 17.625,3.779 25.47,8.308 25.47,-14.705 0,-29.411 -25.47,-14.705 -25.47,14.116 0.51,29.116

## Other copper
PWR (plane layer: these items are gaps in the copper):
  lines w0.5: 10.876,23.453 8.27,21.948 7.62,19.525 16.418,4.287 17.499,3.997 26.085,8.954

## Silkscreen, mask and mechanical layers (free items; w line width, h text height)
Top Overlay:
  text "EQ" at 3.765,15.517 h0.51 r30
  text "PE" at 13.592,-1.198 h0.51 r30
  text "CLK" at 2.174,-6.985 h0.51 r120
  text "MOSI" at 4.131,-10.218 h0.51 r120
  text "nCS" at -4.671,-11.409 h0.51 r30
  text "MISO" at -4.047,-13.414 h0.51 r30
Bottom Overlay:
  region: -0.077,-19.884 -11.265,-13.425 -15.116,-20.096 -3.929,-26.555
  text ".Project_Name" at -4.834,12.363 h2 r30
  text "Revision .Project_Revision" at -4.034,10.978 h1.02 r30
  text "Designed by: / .Project_Designer1 / .Project_Designer2 / .Project_Designer3" at -7.519,-0.11 h0.91 r30
  text "1" at 7.634,-15.222 h10 r30
  text "Serial #" at -0.408,-19.693 h1 r330
Board Outline:
  the board outline again, w0.02
Route Tool Path:
  lines w2.54: -23.689,17.2 -28.053,24.758 -19.808,29.518 -15.445,21.96 ; -26.615,-16.101 cw(c-25.981,-15) -27.251,-15 ccw(c-25.981,-15) -26.616,-16.1 -26.615,-16.101 ; -26.615,-16.101 -0.636,-31.099 ; -26.615,15.511 ccw(c-25.981,14.411) -27.251,14.411 cw(c-25.981,14.411) -26.616,15.51 -26.615,15.511 ; -26.615,15.511 -0.126,30.804 ; -0.636,-31.099 ccw(c0,-30) 0.635,-31.1 0.636,-31.099 ; -0.636,-31.099 -0.635,-31.1 ccw(c0,-30) 0.636,-31.099 ; -0.126,30.804 cw(c0.51,29.705) 1.145,30.805 1.147,30.804 ; -0.126,30.804 -0.125,30.805 cw(c0.51,29.705) 1.147,30.804 ; 0.636,-31.099 26.615,-16.101 ; 1.147,30.804 21.615,18.987 ; 21.615,18.987 cw(c20.981,17.887) 22.081,18.522 22.081,18.521 ; 21.615,18.987 21.616,18.987 cw(c20.981,17.887) 22.081,18.521 ; 22.081,18.521 27.08,9.863 ; 26.615,-16.101 ccw(c25.981,-15) 27.251,-15 cw(c25.981,-15) 26.616,-16.1 26.615,-16.101 ; 27.08,9.863 cw(c25.981,9.226) 27.251,9.226 ccw(c25.981,9.226) 27.081,9.862 27.08,9.863

## Text inside footprints (layer, text, board x,y; h text height)
J1: Top Assembly "A12" at 14.451,11.716 h0.51 r120; Top Assembly "B1" at 16.476,13.032 h0.51 r120; Top Assembly "B12" at 19.984,6.723 h0.51 r120; Top Assembly "A1" at 17.943,5.667 h0.51 r120
J3: Top Assembly "Board edge / 62 mils PCB" at -17.484,24.342 h0.8 r210